# KiCad board Instruction_decoder.kicad_pcb (continued)
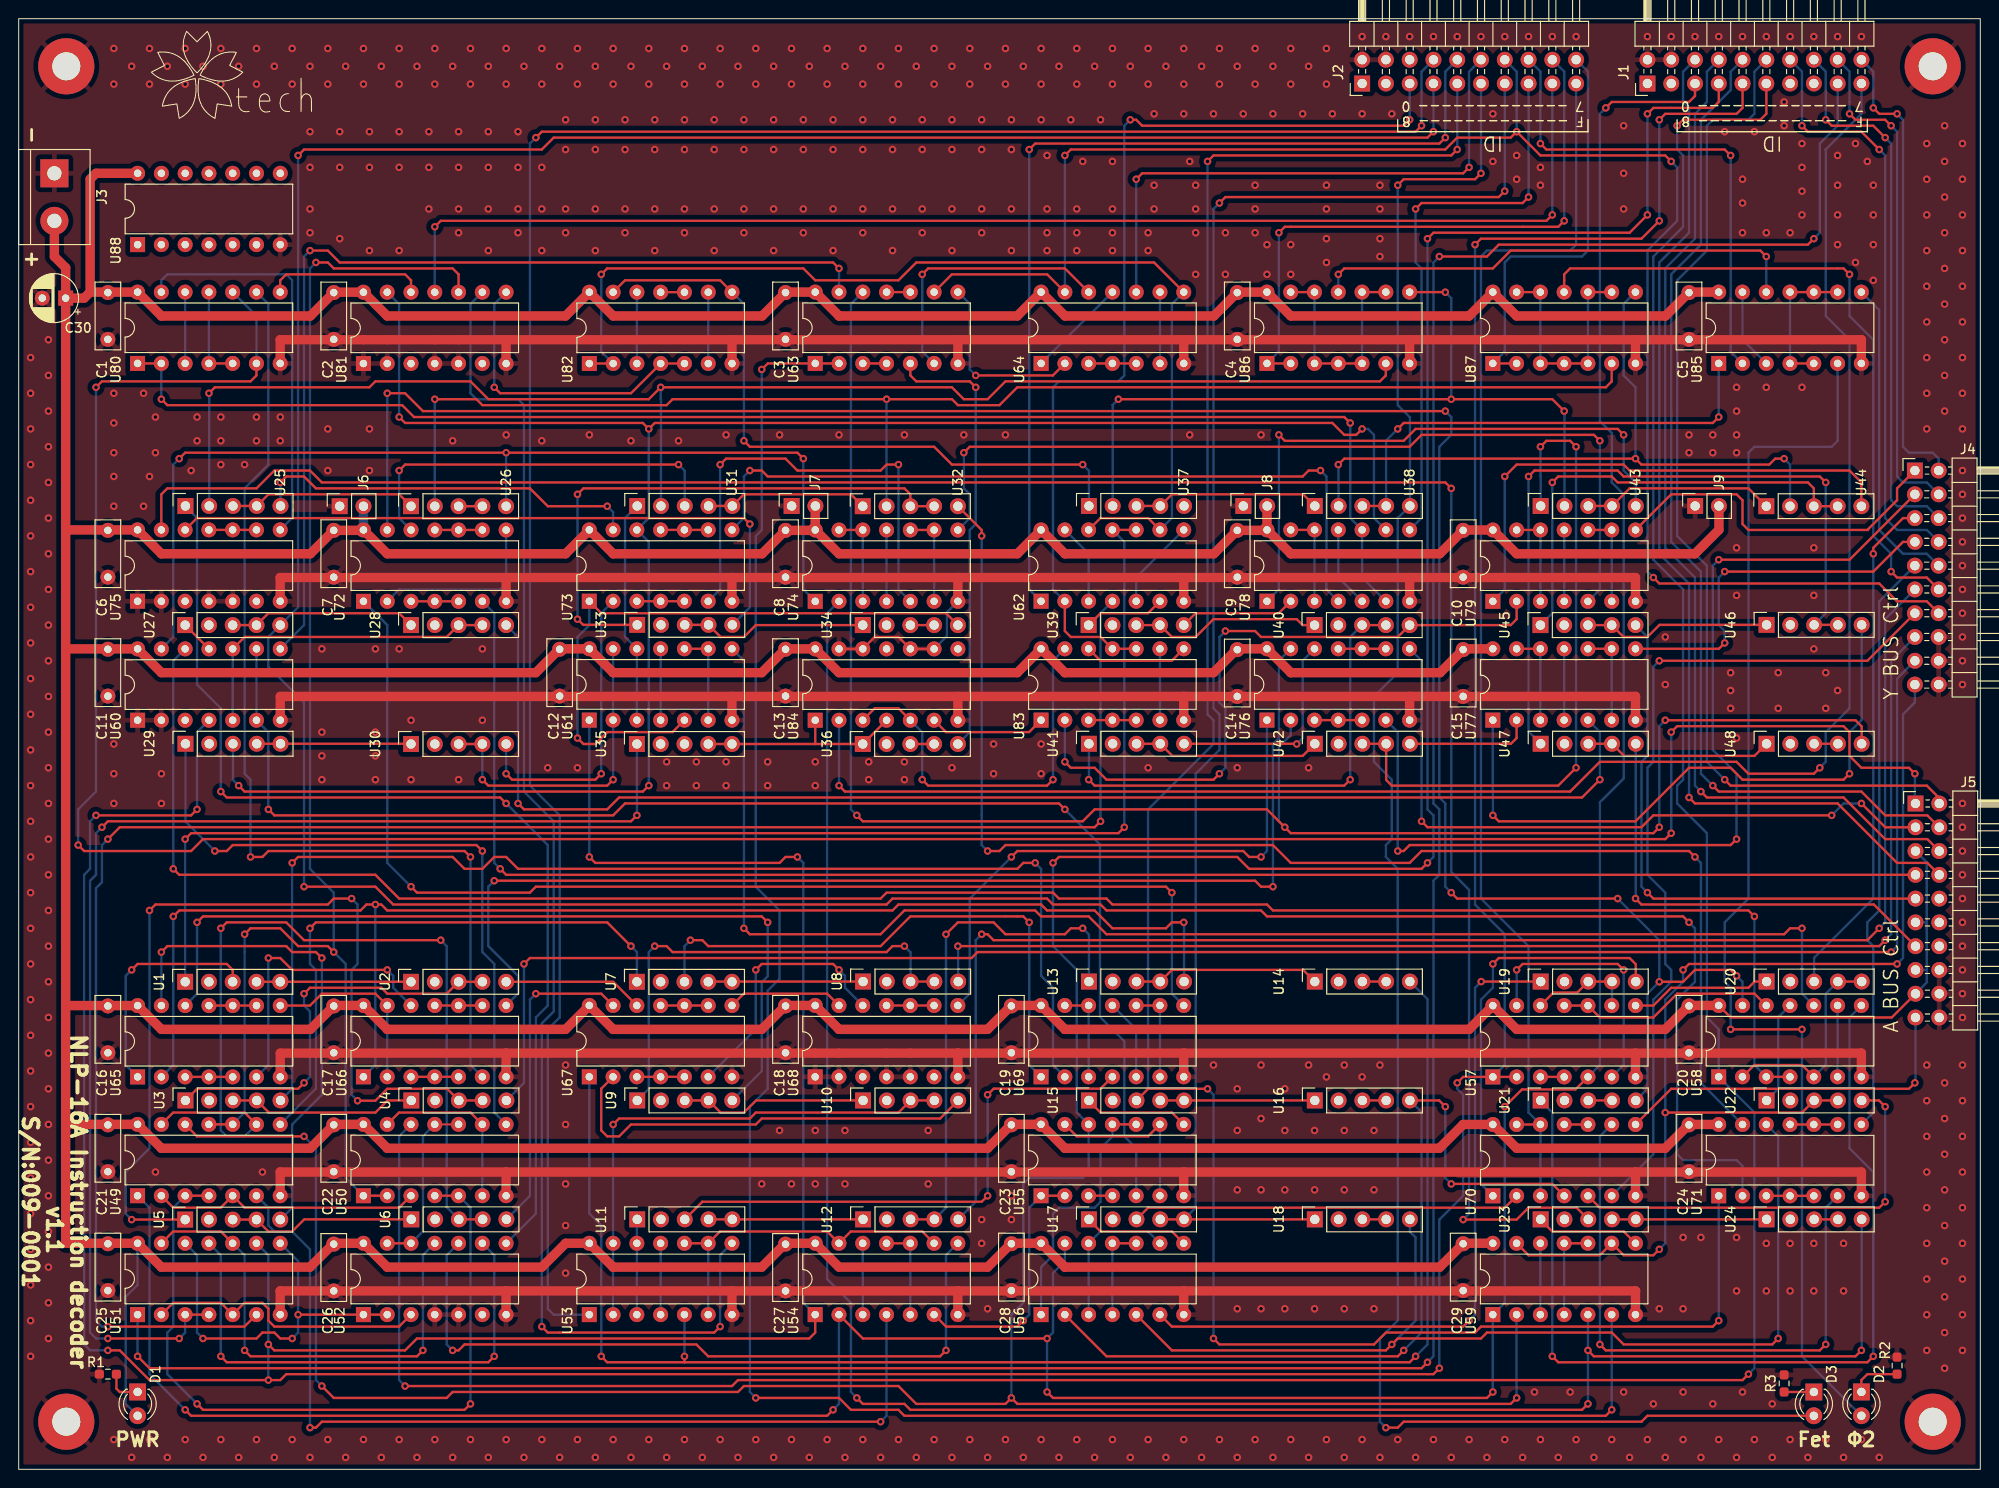
[diagram p0: board, top side]
## Nets (continued)
Net-(U79-Pad10): U79.6 U79.9 U79.10
Net-(U79-Pad11): U79.4 U79.11
Net-(U79-Pad12): U79.3 U79.12 U79.13
Net-(U80-Pad8): U80.8 U81.12
Net-(U80-Pad11): U80.4 U80.5 U80.11
Net-(U80-Pad12): U80.3 U80.12
Net-(U81-Pad8): U81.8 U82.4 U82.5
Net-(U82-Pad6): U82.6 U82.9
Net-(U82-Pad10): U82.10 U82.11
Net-(U82-Pad12): U82.3 U82.12
Net-(U83-Pad1): U83.1 U84.6
Net-(U83-Pad3): U83.3 U83.4 U83.5
Net-(U83-Pad6): U83.6 U83.9
Net-(U83-Pad12): U83.8 U83.12
Net-(U83-Pad13): U83.13 U84.3 U84.5
Net-(U85-Pad10): U85.4 U85.5 U85.9 U85.10 U85.11
Net-(U85-Pad13): U85.3 U85.13
Net-(U86-Pad10): U86.3 U86.4 U86.5 U86.9 U86.10 U86.12 U86.13
Net-(U87-Pad10): U87.3 U87.4 U87.5 U87.9 U87.10 U87.12 U87.13

Pads without a net: J1 1 3; J2 1 3 6; J5 10 12 14; U1 2; U2 2; U3 2; U4 2; U5 2; U6 2; U7 2; U8 2; U9 2; U10 2; U11 2; U12 2; U13 2; U14 2; U15 2; U16 2; U17 2; U18 2; U19 2; U20 2; U21 2; U22 2; U23 2; U24 2; U27 2; U28 2; U29 2; U30 2; U33 2; U34 2; U35 2 3; U36 2; U37 5; U39 2; U40 2; U41 2; U42 2; U45 2; U46 2; U47 2; U48 2; U52 6; U60 3; U68 3 6; U75 3 6; U81 3 6; U84 8 11; U88 1 2 3 4 5 6 8 9 10 11 12 13

## Via types
v1: diameter 0.8, hole 0.4, Top to Bottom, 1022 vias

## Routing (per net, layer and track width the routed paths; a pad name or vN(x,y) marks a point on that pad's centre or on a via; arc(x,y) is an arc through that point)
GND: length 1054.7
  Top w0.25: U84.9 U84.10 93.98,88.9 91.44,88.9 U84.12 U84.13
  Top w1: U87.7 172.72,120.64 172.72,120.65 ; U84.7 100.33,82.55 ; 100.33,82.55 124.46,82.55 ; 100.33,82.55 76.2,82.55 ; U59.7 172.72,19.04 172.72,19.05 124.46,19.05 ; U70.7 172.72,31.75 ; 172.72,31.75 124.46,31.75 ; 172.72,31.75 196.85,31.75 U71.7 ; U78.7 148.59,95.25 ; 148.59,95.25 172.72,95.25 U79.7 ; 148.59,95.25 124.46,95.25 ; 100.33,44.45 100.32,44.44 U68.7 ; 100.33,44.45 124.46,44.45 ; 100.33,44.45 52.07,44.45 ; U77.7 172.72,82.54 172.72,82.55 148.59,82.55 ; 172.72,44.45 U57.7 ; 172.72,44.45 196.85,44.45 196.84,44.44 U58.7 ; 172.72,44.45 124.46,44.45 ; U50.7 52.06,31.75 52.07,31.75 ; 100.33,95.25 124.46,95.25 ; 100.33,95.25 U74.7 ; 100.33,95.25 76.2,95.25 ; 124.46,95.25 124.45,95.24 U62.7 ; U61.7 76.19,82.54 76.2,82.55 ; 100.33,120.65 U63.7 ; 100.33,120.65 124.46,120.65 ; 100.33,120.65 76.2,120.65 ; U52.7 52.06,19.04 52.07,19.05 ; 52.07,44.45 52.06,44.44 U66.7 ; 52.07,44.45 27.94,44.45 U65.7 ; U80.7 27.93,120.64 27.94,120.65 52.07,120.65 ; 124.46,19.05 124.45,19.04 U56.7 ; 124.46,19.05 100.33,19.05 ; 52.07,31.75 27.94,31.75 27.93,31.75 U49.7 ; 52.07,31.75 124.46,31.75 ; U60.7 27.94,82.55 76.2,82.55 ; U55.7 124.45,31.75 124.46,31.75 ; 76.2,19.05 100.33,19.05 ; 76.2,19.05 76.19,19.04 U53.7 ; 76.2,19.05 52.07,19.05 ; 100.33,19.05 100.32,19.04 U54.7 ; U75.7 27.93,95.24 27.94,95.25 52.07,95.25 ; 52.07,120.65 52.06,120.64 U81.7 ; 52.07,120.65 76.2,120.65 ; 52.07,19.05 27.94,19.05 27.93,19.04 U51.7 ; U73.7 76.19,95.24 76.2,95.25 ; 124.46,82.55 124.45,82.54 U83.7 ; 124.46,82.55 148.59,82.55 ; 124.46,44.45 124.45,44.44 U69.7 ; 76.2,120.65 U82.7 ; 52.07,95.25 76.2,95.25 ; 52.07,95.25 U72.7 ; 124.46,120.65 U64.7 ; 124.46,120.65 148.59,120.65 ; 172.72,120.65 196.85,120.65 196.84,120.64 U85.7 ; 172.72,120.65 148.59,120.65 ; 148.59,82.55 148.59,82.54 U76.7 ; U86.7 148.59,120.64 148.59,120.65
  Bottom w0.25: U84.9 99.16,88.99 99.16,91.53 U74.7
  vias: v1(1.27,118.74) v1(1.27,114.93) v1(1.27,111.12) v1(1.27,107.31) v1(1.27,103.5) v1(1.27,99.69) v1(1.27,95.88) v1(1.27,92.07) v1(1.27,88.26) v1(1.27,84.45) v1(1.27,80.64) v1(1.27,76.83) v1(1.27,73.02) v1(1.27,69.21) v1(1.27,65.4) v1(1.27,61.59) v1(1.27,57.78) v1(1.27,53.97) v1(1.27,50.16) v1(1.27,46.35) v1(1.27,42.54) v1(1.27,38.73) v1(1.27,34.92) v1(1.27,31.11) v1(1.27,27.31) v1(1.27,23.5) v1(1.27,19.69) v1(1.27,15.88) v1(1.27,12.06) v1(3.17,120.65) v1(3.17,116.84) v1(3.17,113.03) v1(3.17,109.22) v1(3.17,105.41) v1(3.17,101.6) v1(3.17,97.79) v1(3.17,93.98) v1(3.17,90.17) v1(3.17,86.36) v1(3.17,82.55) v1(3.17,78.74) v1(3.17,74.93) v1(3.17,71.12) v1(3.17,67.31) v1(3.17,63.5) v1(3.17,59.69) v1(3.17,55.88) v1(3.17,52.07) v1(3.17,48.26) v1(3.17,44.45) v1(3.17,40.64) v1(3.17,36.83) v1(3.17,33.02) v1(3.17,29.21) v1(3.17,25.4) v1(3.17,21.59) v1(3.17,17.78) v1(3.17,13.97) v1(10.16,151.76) v1(10.16,147.95) v1(10.16,114.93) v1(10.16,111.76) v1(10.16,108.58) v1(10.16,106.04) v1(10.16,102.87) v1(10.16,77.47) v1(10.16,74.29) v1(10.16,71.12) v1(10.16,3.17) v1(12.06,149.86) v1(12.06,1.27) v1(13.34,114.93) v1(13.34,102.87) v1(13.97,151.76) v1(13.97,147.95) v1(13.97,106.04) v1(13.97,3.17) v1(14.6,112.39) v1(14.6,108.58) v1(14.6,31.75) v1(15.24,74.29) v1(15.24,71.12) v1(15.88,149.86) v1(15.88,1.27) v1(17.78,151.76) v1(17.78,147.95) v1(17.78,3.17) v1(18.41,106.68) v1(19.05,112.39) v1(19.05,109.85) v1(19.68,149.86) v1(19.68,1.27) v1(21.59,151.76) v1(21.59,147.95) v1(21.59,112.39) v1(21.59,109.85) v1(21.59,107.31) v1(21.59,3.17) v1(23.49,149.86) v1(23.49,1.27) v1(24.13,107.31) v1(25.4,151.76) v1(25.4,147.95) v1(25.4,112.39) v1(25.4,109.85) v1(25.4,3.17) v1(26.03,31.75) v1(27.3,149.86) v1(27.3,1.27) v1(27.94,112.39) v1(27.94,109.85) v1(29.21,151.76) v1(29.21,147.95) v1(29.21,3.17) v1(31.11,149.86) v1(31.11,142.88) v1(31.11,139.06) v1(31.11,134.62) v1(31.11,132.08) v1(31.11,1.27) v1(32.38,87.63) v1(32.38,78.74) v1(32.38,76.2) v1(32.38,73.66) v1(33.02,151.76) v1(33.02,147.95) v1(33.02,111.12) v1(33.02,106.68) v1(33.02,3.17) v1(34.29,142.88) v1(34.29,139.06) v1(34.29,131.44) v1(34.92,149.86) v1(34.92,1.27) v1(36.83,151.76) v1(36.83,147.95) v1(36.83,3.17) v1(37.47,142.88) v1(37.47,139.06) v1(37.47,130.17) v1(37.47,111.12) v1(37.47,106.68) v1(38.1,87.63) v1(38.1,78.74) v1(38.1,76.2) v1(38.1,73.66) v1(38.73,149.86) v1(38.73,1.27) v1(40.64,151.76) v1(40.64,147.95) v1(40.64,142.88) v1(40.64,139.06) v1(40.64,130.17) v1(40.64,87.63) v1(40.64,3.17) v1(41.91,80.01) v1(41.91,73.66) v1(42.55,149.86) v1(42.55,1.27) v1(43.81,142.88) v1(43.81,139.06) v1(43.81,134.62) v1(44.45,151.76) v1(44.45,147.95) v1(44.45,3.17) v1(46.36,149.86) v1(46.36,109.85) v1(46.36,1.27) v1(46.99,142.88) v1(46.99,139.06) v1(46.99,134.62) v1(46.99,132.08) v1(46.99,73.66) v1(48.26,151.76) v1(48.26,147.95) v1(48.26,3.17) v1(49.53,87.63) v1(49.53,80.01) v1(50.16,149.86) v1(50.16,142.88) v1(50.16,139.06) v1(50.16,134.62) v1(50.16,130.17) v1(50.16,1.27) v1(52.07,151.76) v1(52.07,147.95) v1(52.07,110.49) v1(52.07,3.17) v1(53.34,142.88) v1(53.34,139.06) v1(53.34,134.62) v1(53.34,132.08) v1(53.97,149.86) v1(53.97,1.27) v1(55.88,151.76) v1(55.88,147.95) v1(55.88,139.06) v1(55.88,134.62) v1(55.88,130.17) v1(55.88,109.85) v1(55.88,3.17) v1(56.52,74.93) v1(57.78,149.86) v1(57.78,1.27) v1(58.42,144.14) v1(58.42,140.97) v1(58.42,134.62) v1(58.42,132.08) v1(58.42,43.18) v1(58.42,36.83) v1(58.42,30.48) v1(58.42,26.03) v1(58.42,20.95) v1(59.69,151.76) v1(59.69,147.95) v1(59.69,74.93) v1(59.69,3.17) v1(60.96,110.49) v1(61.59,149.86) v1(61.59,144.14) v1(61.59,140.97) v1(61.59,134.62) v1(61.59,130.17) v1(61.59,1.27) v1(63.5,151.76) v1(63.5,147.95) v1(63.5,3.17) v1(64.77,144.14) v1(64.77,140.97) v1(64.77,134.62) v1(64.77,132.08) v1(65.41,149.86) v1(65.41,109.85) v1(65.41,1.27) v1(67.31,151.76) v1(67.31,147.95) v1(67.31,3.17) v1(67.94,144.14) v1(67.94,140.97) v1(67.94,134.62) v1(67.94,130.17) v1(69.22,149.86) v1(69.22,75.56) v1(69.22,73.02) v1(69.22,1.27) v1(70.48,109.85) v1(71.12,151.76) v1(71.12,147.95) v1(71.12,144.14) v1(71.12,140.97) v1(71.12,134.62) v1(71.12,132.08) v1(71.12,3.17) v1(72.39,75.56) v1(72.39,73.02) v1(73.02,149.86) v1(73.02,1.27) v1(74.3,144.14) v1(74.3,140.97) v1(74.3,134.62) v1(74.3,130.17) v1(74.93,151.76) v1(74.93,147.95) v1(74.93,3.17) v1(75.56,110.49) v1(75.56,75.56) v1(75.56,73.02) v1(76.83,149.86) v1(76.83,1.27) v1(77.47,144.14) v1(77.47,140.97) v1(77.47,134.62) v1(77.47,132.08) v1(78.74,151.76) v1(78.74,147.95) v1(78.74,3.17) v1(79.38,30.48) v1(80.01,75.56) v1(80.01,73.02) v1(80.64,149.86) v1(80.64,144.14) v1(80.64,140.97) v1(80.64,134.62) v1(80.64,130.17) v1(80.64,1.27) v1(81.28,110.49) v1(81.28,36.19) v1(82.55,151.76) v1(82.55,147.95) v1(82.55,30.48) v1(82.55,3.17) v1(83.82,144.14) v1(83.82,140.97) v1(83.82,134.62) v1(83.82,132.08) v1(84.45,149.86) v1(84.45,1.27) v1(85.09,75.56) v1(85.09,73.02) v1(85.09,36.19) v1(85.09,30.48) v1(86.36,151.76) v1(86.36,147.95) v1(86.36,3.17) v1(87,144.14) v1(87,140.97) v1(87,134.62) v1(87,130.17) v1(87.63,110.49) v1(88.27,149.86) v1(88.27,36.19) v1(88.27,30.48) v1(88.27,1.27) v1(90.17,151.76) v1(90.17,147.95) v1(90.17,144.14) v1(90.17,140.97) v1(90.17,134.62) v1(90.17,132.08) v1(90.17,3.17) v1(90.8,75.56) v1(90.8,73.66) v1(92.08,149.86) v1(92.08,1.27) v1(93.34,144.14) v1(93.34,140.97) v1(93.34,134.62) v1(93.34,130.17) v1(93.98,151.76) v1(93.98,147.95) v1(93.98,3.17) v1(94.62,110.49) v1(94.62,75.56) v1(94.62,73.66) v1(95.88,149.86) v1(95.88,1.27) v1(96.52,144.14) v1(96.52,140.97) v1(96.52,134.62) v1(96.52,132.08) v1(97.16,36.19) v1(97.16,30.48) v1(97.79,151.76) v1(97.79,147.95) v1(97.79,3.17) v1(99.69,149.86) v1(99.69,144.14) v1(99.69,140.97) v1(99.69,134.62) v1(99.69,130.17) v1(99.69,74.93) v1(99.69,1.27) v1(100.97,110.49) v1(101.6,151.76) v1(101.6,147.95) v1(101.6,3.17) v1(102.87,144.14) v1(102.87,140.97) v1(102.87,134.62) v1(102.87,132.08) v1(102.87,26.67) v1(102.87,24.13) v1(103.5,149.86) v1(103.5,17.14) v1(103.5,1.27) v1(104.14,77.47) v1(104.14,74.29) v1(105.41,151.76) v1(105.41,147.95) v1(105.41,110.49) v1(105.41,3.17) v1(106.04,144.14) v1(106.04,140.97) v1(106.04,134.62) v1(106.04,130.17) v1(106.04,29.21) v1(106.04,26.67) v1(107.31,149.86) v1(107.31,1.27) v1(109.22,151.76) v1(109.22,147.95) v1(109.22,144.14) v1(109.22,77.47) v1(109.22,74.29) v1(109.22,3.17) v1(109.85,140.33) v1(109.85,134.62) v1(109.85,132.08) v1(109.85,130.17) v1(111.12,149.86) v1(111.12,1.27) v1(112.4,144.14) v1(113.03,151.76) v1(113.03,147.95) v1(113.03,134.62) v1(113.03,132.08) v1(113.03,130.17) v1(113.03,3.17) v1(113.66,139.7) v1(114.94,149.86) v1(114.94,1.27) v1(115.57,144.14) v1(116.84,151.76) v1(116.84,147.95) v1(116.84,139.7) v1(116.84,134.62) v1(116.84,132.08) v1(116.84,130.17) v1(116.84,3.17) v1(118.75,149.86) v1(118.75,1.27) v1(120.65,151.76) v1(120.65,147.95) v1(120.65,132.08) v1(120.65,130.17) v1(120.65,74.93) v1(120.65,3.17) v1(121.28,144.78) v1(121.28,137.16) v1(121.28,134.62) v1(122.56,149.86) v1(122.56,1.27) v1(124.46,151.76) v1(124.46,147.95) v1(124.46,144.78) v1(124.46,3.17) v1(125.09,139.7) v1(125.09,110.49) v1(125.73,137.16) v1(125.73,134.62) v1(125.73,132.08) v1(125.73,127.63) v1(126.37,149.86) v1(126.37,1.27) v1(127.63,144.78) v1(127.63,43.18) v1(128.27,151.76) v1(128.27,147.95) v1(128.27,3.17) v1(128.91,132.08) v1(128.91,127.63) v1(130.18,149.86) v1(130.18,74.93) v1(130.18,40.64) v1(130.18,36.19) v1(130.18,29.84) v1(130.18,17.14) v1(130.18,1.27) v1(130.81,144.78) v1(132.08,151.76) v1(132.08,147.95) v1(132.08,137.16) v1(132.08,134.62) v1(132.08,132.08) v1(132.08,3.17) v1(132.72,110.49) v1(132.72,43.18) v1(132.72,37.47) v1(132.72,29.84) v1(132.72,17.14) v1(133.35,130.81) v1(133.35,127.63) v1(133.98,149.86) v1(133.98,144.78) v1(133.98,1.27) v1(135.25,40.64) v1(135.25,36.19) v1(135.25,29.84) v1(135.25,17.14) v1(135.89,151.76) v1(135.89,147.95) v1(135.89,130.81) v1(135.89,127.63) v1(135.89,3.17) v1(137.16,144.78) v1(137.79,149.86) v1(137.79,74.93) v1(137.79,43.18) v1(137.79,1.27) v1(138.43,36.19) v1(138.43,29.84) v1(138.43,17.14) v1(139.7,151.76) v1(139.7,147.95) v1(139.7,137.16) v1(139.7,134.62) v1(139.7,131.44) v1(139.7,128.91) v1(139.7,41.91) v1(139.7,3.17) v1(140.34,144.78) v1(141.6,43.18) v1(141.6,36.19) v1(141.6,29.84) v1(141.6,17.14) v1(141.6,1.27) v1(143.51,153.03) v1(143.51,144.78) v1(143.51,41.91) v1(143.51,3.17) v1(144.78,36.19) v1(144.78,29.84) v1(144.78,17.14) v1(145.41,137.16) v1(145.41,134.62) v1(145.41,131.44) v1(145.41,129.54) v1(145.41,43.18) v1(145.41,1.27) v1(146.05,153.03) v1(146.69,144.78) v1(147.32,3.17) v1(148.59,153.03) v1(149.22,1.27) v1(151.13,153.03) v1(151.13,3.17) v1(153.03,1.27) v1(153.67,153.03) v1(154.94,3.17) v1(156.21,153.03) v1(156.84,1.27) v1(157.48,144.78) v1(157.48,139.7) v1(158.75,153.03) v1(158.75,3.17) v1(160.02,140.33) v1(160.02,137.79) v1(160.66,1.27) v1(161.29,153.03) v1(161.93,8.25) v1(162.56,139.06) v1(162.56,137.16) v1(162.56,3.17) v1(163.83,153.03) v1(164.47,1.27) v1(165.73,8.25) v1(166.37,153.03) v1(166.37,3.17) v1(168.28,1.27) v1(170.18,3.17) v1(171.45,143.51) v1(171.45,138.43) v1(171.45,134.62) v1(171.45,8.25) v1(172.09,1.27) v1(173.99,153.03) v1(173.99,3.17) v1(174.62,6.98) v1(175.26,17.14) v1(175.9,88.9) v1(175.9,83.82) v1(175.9,1.27) v1(176.53,153.03) v1(177.8,24.76) v1(177.8,17.14) v1(177.8,8.25) v1(177.8,3.17) v1(178.44,110.49) v1(178.44,108.58) v1(179.07,153.03) v1(179.7,24.76) v1(179.7,1.27) v1(180.97,110.49) v1(180.97,108.58) v1(180.97,6.98) v1(181.61,153.03) v1(181.61,3.17) v1(182.25,142.88) v1(182.88,85.09) v1(182.88,83.18) v1(182.88,81.28) v1(183.51,115.57) v1(183.51,113.03) v1(183.51,110.49) v1(183.51,108.58) v1(183.51,98.42) v1(183.51,93.34) v1(183.51,78.1) v1(183.51,24.76) v1(183.51,19.05) v1(183.51,1.27) v1(184.15,153.03) v1(184.15,137.79) v1(184.15,135.25) v1(184.15,132.08) v1(184.15,8.25) v1(185.42,142.88) v1(185.42,3.17) v1(186.69,153.03) v1(186.69,132.08) v1(186.69,115.57) v1(186.69,24.13) v1(186.69,19.05) v1(187.32,6.98) v1(187.32,1.27) v1(187.96,85.09) v1(187.96,81.28) v1(188.59,146.05) v1(188.59,143.51) v1(189.23,153.03) v1(189.23,132.08) v1(189.23,24.13) v1(189.23,19.05) v1(189.23,3.17) v1(190.5,141.6) v1(190.5,139.06) v1(190.5,136.52) v1(190.5,133.98) v1(190.5,115.57) v1(191.13,1.27) v1(191.77,153.03) v1(191.77,98.42) v1(191.77,93.34) v1(191.77,87.63) v1(191.77,24.13) v1(191.77,19.05) v1(193.04,85.09) v1(193.04,81.28) v1(193.04,3.17) v1(194.31,153.03) v1(194.31,140.33) v1(194.31,137.16) v1(194.31,133.98) v1(194.31,130.81) v1(194.31,83.18) v1(194.94,24.13) v1(194.94,19.05) v1(194.94,1.27) v1(196.22,141.6) v1(196.22,128.91) v1(196.85,153.03) v1(196.85,3.17) v1(197.48,139.7) v1(198.12,137.16) v1(198.12,133.98) v1(198.12,130.81) v1(198.12,127) v1(198.75,1.27) v1(203.84,141.6) v1(203.84,137.79) v1(203.84,133.98) v1(203.84,130.17) v1(203.84,126.36) v1(203.84,122.55) v1(203.84,118.74) v1(203.84,114.93) v1(203.84,111.12) v1(203.84,43.18) v1(203.84,39.37) v1(203.84,35.56) v1(203.84,31.75) v1(203.84,27.94) v1(203.84,24.13) v1(203.84,20.32) v1(203.84,16.51) v1(203.84,12.7) v1(205.74,143.51) v1(205.74,139.7) v1(205.74,135.89) v1(205.74,132.08) v1(205.74,128.27) v1(205.74,124.46) v1(205.74,120.65) v1(205.74,116.84) v1(205.74,113.03) v1(205.74,41.28) v1(205.74,37.47) v1(205.74,33.66) v1(205.74,29.84) v1(205.74,26.03) v1(205.74,22.22) v1(205.74,18.41) v1(205.74,14.6) v1(205.74,10.79) v1(207.65,141.6) v1(207.65,137.79) v1(207.65,133.98) v1(207.65,130.17) v1(207.65,126.36) v1(207.65,122.55) v1(207.65,118.74) v1(207.65,114.93) v1(207.65,111.12) v1(207.65,106.68) v1(207.65,104.14) v1(207.65,101.6) v1(207.65,99.06) v1(207.65,96.52) v1(207.65,93.98) v1(207.65,91.44) v1(207.65,88.9) v1(207.65,86.36) v1(207.65,83.82) v1(207.65,71.12) v1(207.65,68.58) v1(207.65,66.04) v1(207.65,63.5) v1(207.65,60.96) v1(207.65,58.42) v1(207.65,55.88) v1(207.65,53.34) v1(207.65,50.8) v1(207.65,48.26) v1(207.65,43.18) v1(207.65,39.37) v1(207.65,35.56) v1(207.65,31.75) v1(207.65,27.94) v1(207.65,24.13) v1(207.65,20.32) v1(207.65,16.51) v1(207.65,12.7)
VCC: length 1282.2
  Top w0.25: J5.17 200.09,48.26 182.88,48.26 U58.14
  Top w1: 5.02,100.27 5.02,87.57 ; 5.02,100.27 C30.1 ; 5.02,100.27 5.09,100.34 U75.14 15.24,97.79 15.24,97.79 31.16,97.79 C7.2 36.79,100.29 U72.14 39.37,97.79 58.42,97.79 60.95,100.32 U73.14 63.5,97.79 63.5,97.79 79.41,97.79 C8.2 85.05,100.29 U74.14 ; 5.02,87.57 5.02,49.59 ; 5.02,87.57 5.08,87.63 U60.14 15.24,85.09 55.25,85.09 57.7,87.55 57.78,87.55 57.88,87.64 U61.14 63.5,85.09 63.5,85.09 79.38,85.09 81.91,87.63 U84.14 87.63,85.09 106.68,85.09 109.22,87.62 U83.14 111.76,85.09 111.76,85.09 127.63,85.09 130.19,87.64 U76.14 135.89,85.09 135.89,85.09 151.84,85.09 154.4,87.64 U77.14 ; 5.02,49.59 5.08,49.53 U65.14 15.24,46.99 31.16,46.99 33.7,49.54 U66.14 39.37,47 39.37,46.99 58.42,46.99 60.95,49.53 U67.14 63.5,47 63.5,46.99 79.38,46.99 81.92,49.54 U68.14 87.63,47 87.63,46.99 103.5,46.99 106.06,49.54 U69.14 111.76,47 111.76,46.99 154.94,46.99 U57.14 160.02,46.99 175.9,46.99 178.44,49.54 U58.14 ; 5.02,49.59 5.02,36.77 ; U88.14 8.25,138.43 7.63,137.81 7.63,125.74 ; 7.63,125.74 U80.14 15.24,123.19 15.24,123.19 31.16,123.19 33.69,125.73 U81.14 39.36,123.19 58.42,123.19 U82.14 63.5,123.19 79.41,123.19 81.97,125.74 U63.14 87.63,123.2 87.63,123.19 106.67,123.19 U64.14 111.77,123.19 127.68,123.19 130.22,125.74 U86.14 135.9,123.19 154.94,123.19 157.47,125.72 157.47,125.74 160.02,123.19 175.91,123.19 178.41,125.69 C5.2 178.48,125.74 U85.14 ; 7.63,125.74 6.98,125.09 C30.1 ; 5.02,36.77 5.02,24.19 5.08,24.13 5.09,24.14 U51.14 15.24,21.59 15.24,21.59 31.11,21.59 33.66,24.14 U52.14 39.37,21.59 39.37,21.59 55.88,21.59 58.43,24.14 U53.14 63.5,21.59 63.5,21.59 79.38,21.59 81.92,24.14 U54.14 87.63,21.59 103.5,21.59 106.06,24.14 U56.14 111.76,21.59 111.76,21.59 151.81,21.59 154.35,24.14 U59.14 ; 5.02,36.77 5.09,36.84 U49.14 15.24,34.29 15.24,34.29 31.16,34.29 33.7,36.84 U50.14 39.37,34.29 39.37,34.29 103.5,34.29 106.06,36.84 U55.14 111.76,34.29 111.76,34.29 151.76,34.29 154.31,36.83 U70.14 160.02,34.29 175.9,34.29 178.44,36.83 U71.14 ; C30.1 5.02,128.33 3.81,129.54 J3.2 ; U78.14 135.89,97.8 135.89,97.79 151.81,97.79 154.34,100.33 U79.14 160.02,97.79 179.07,97.79 181.63,100.35 J9.2 ; U78.14 133.3,100.29 C9.2 127.68,97.79 111.76,97.79 111.76,97.79 U62.14 109.22,100.32 106.68,97.79 87.63,97.79 U74.14 ; U78.14 133.35,102.88 J8.2 ; J7.2 85.09,102.88 U74.14
  Bottom w0.25: D1.2 11.43,6.98 11.43,6.98 11.43,18.41 12.7,19.68 U51.14 ; 203.84,57.78 203.84,64.83 J5.5 ; 203.84,57.78 203.84,58.42 203.83,58.41 J5.11 ; 203.84,57.78 203.84,53.34 ; 203.84,53.34 203.84,52 J5.17 ; 203.84,53.34 203.83,53.33 J5.15
  Bottom w1: U72.14 J6.2
3word: length 234.6
  Top w0.25: v1(149.86,143.51) 149.22,142.88 55.88,142.88 v1(55.25,142.24)
  Bottom w0.25: v1(55.25,142.24) 54.61,141.6 54.61,73.02 57.78,69.85 57.78,48.26 56.52,46.99 56.52,17.14 57.15,16.51 57.16,16.52 U53.1 ; v1(149.86,143.51) 149.86,149.28 J2.8
A_BUS_Addr0: length 109.5
  Top w0.25: J5.2 205.17,71.69 203.84,73.02 182.88,73.02 v1(182.25,73.66)
  Bottom w0.25: J1.12 185.42,149.28 185.42,144.78 184.78,144.14 180.97,144.14 180.34,143.51 180.34,130.17 177.16,127 177.16,99.69 180.34,96.52 180.34,75.56 v1(182.25,73.66)
A_BUS_Addr1: length 109.2
  Top w0.25: J5.4 203.9,69.85 199.39,69.85 196.85,72.39 181.61,72.39 v1(180.97,73.02)
  Bottom w0.25: 176.53,113.03 176.53,99.06 179.7,95.88 179.7,74.29 v1(180.97,73.02) ; 176.53,112.39 176.53,127.63 179.7,130.81 179.7,144.14 182.88,147.32 182.88,149.28 J1.10
A_BUS_Addr2: length 110.2
  Top w0.25: v1(179.7,72.39) 180.34,71.75 194.94,71.75 199.39,67.31 203.9,67.31 J5.6
  Bottom w0.25: J1.8 180.34,149.28 180.34,146.05 179.07,144.78 179.07,131.44 175.9,128.27 175.9,98.42 179.07,95.25 179.07,73.02 v1(179.7,72.39)
A_BUS_Addr3: length 112.4
  Top w0.25: v1(178.44,71.75) 179.07,71.12 194.31,71.12 200.66,64.77 203.9,64.77 J5.8
  Bottom w0.25: v1(178.44,71.75) 178.44,94.61 175.26,97.79 175.26,128.91 178.44,132.08 178.44,145.41 177.8,146.05 177.8,149.28 J1.6
Acc_Y: length 90.8
  Top w0.25: J4.13 197.48,86.36 v1(175.26,86.36)
  Bottom w0.25: U70.6 174.62,33.66 174.62,50.16 176.53,52.07 176.53,53.34 175.9,53.97 175.9,61.59 173.99,63.5 173.99,74.93 174.62,75.56 174.62,85.72 v1(175.26,86.36)
END_EXE: length 223.9
  Top w0.25: v1(79.38,117.47) 80.02,118.12 U63.1 U63.2 ; v1(170.18,6.35) 169.54,5.72 94.62,5.72 93.98,6.35 88.9,6.35 87.63,7.62 v1(78.74,7.62)
  Bottom w0.25: v1(79.38,117.47) 79.38,100.33 78.74,99.69 78.74,62.23 81.28,59.69 81.28,52.39 80.01,51.12 80.01,40.64 78.11,38.73 78.11,8.25 v1(78.74,7.62) ; v1(170.18,6.35) 170.18,6.35 170.18,16.52
EXE_FETCH: length 27
  Top w0.25: U55.2 U55.1 ; U54.6 99.06,15.25 99.06,15.24 106.68,15.24 v1(107.31,15.88)
  Bottom w0.25: v1(107.31,15.88) 107.95,16.51 107.95,27.94 109.22,29.2 U55.1
Fetch1->: length 131.5
  Top w0.25: v1(108.59,64.77) 107.31,64.77 106.68,64.13 53.34,64.13 52.07,65.4 50.8,65.4 49.53,64.13 47.62,64.13 46.36,65.4 29.84,65.4 v1(29.21,64.77)
  Bottom w0.25: U3.5 29.21,40.63 v1(29.21,64.77) ; U69.2 110.49,43.19 110.49,51.43 109.22,52.7 109.22,64.13 v1(108.59,64.77)
Fetch2->: length 59.8
  Top w0.25: v1(107.95,58.42) 107.31,59.05 95.25,59.05 92.08,55.88 73.66,55.88 73.02,56.51 v1(71.75,56.51)
  Bottom w0.25: v1(71.75,56.51) 71.12,55.88 U7.3 ; U69.1 107.95,43.19 v1(107.95,58.42)
Fetch3->: length 58.3
  Top w0.25: U69.4 115.57,40.66 104.16,40.66 v1(103.5,40) ; v1(103.5,29.21) 102.87,28.57 73.02,28.57 73.02,28.57 U11.3
  Bottom w0.25: v1(103.5,40) v1(103.5,29.21)
Fetch_Status: length 202.8
  Top w0.25: v1(146.05,4.44) 147.32,4.44 147.95,5.08 173.35,5.08 173.99,5.72 D3.2 ; v1(156.21,138.43) 155.57,137.79 147.95,137.79 v1(147.32,137.16)
  Bottom w0.25: v1(146.05,4.44) 145.41,5.08 145.41,13.97 147.32,15.88 147.32,64.13 146.05,65.4 146.05,66.67 146.69,67.31 146.69,73.66 144.78,75.56 144.78,82.55 147.32,85.09 147.32,101.65 147.38,101.65 U38.5 148.62,112.36 147.32,113.66 v1(147.32,137.16) ; 156.22,148.02 156.22,138.44 v1(156.21,138.43)
INT: length 102.6
  Top w0.25: v1(152.4,142.24) 151.76,141.6 108.59,141.6 v1(107.95,140.97)
  Bottom w0.25: U62.1 109.21,92.72 107.95,93.98 v1(107.95,140.97) ; v1(152.4,142.24) 152.4,149.28 153.68,150.56
INT_EN: length 104.9
  Top w0.25: U62.2 111.75,89.54 112.4,88.9 115.57,88.9 U83.11 U83.10 ; v1(148.59,144.14) 147.95,143.51 120.01,143.51 119.38,144.14 v1(118.75,144.14)
  Bottom w0.25: v1(118.75,144.14) 118.11,143.51 118.11,116.84 117.47,116.2 111.12,116.2 110.49,115.57 110.49,93.98 110.5,93.98 U62.2 ; v1(148.59,144.14) 148.59,144.15 J2.5
INT_START: length 112.8
  Top w0.25: v1(62.23,127.63) 62.86,128.27 83.82,128.27 85.09,127 93.98,127 95.88,128.91 121.28,128.91 124.45,125.74 U64.8 ; U62.12 115.56,101.6 120.66,101.6 U62.9 ; U82.2 U82.1
  Bottom w0.25: U62.9 123.18,101.6 123.19,101.6 123.19,124.47 U64.8 ; U82.2 62.23,119.38 v1(62.23,127.63)
NOP: length 53.1
  Top w0.25: v1(162.56,141.6) 163.19,140.97 182.25,140.97 v1(182.88,140.33)
  Bottom w0.25: v1(162.56,141.6) 162.56,149.29 J2.16 ; U85.2 182.88,119.38 v1(182.88,140.33)
OP0: length 191.2
  Top w0.25: v1(87.63,73.02) 88.27,72.39 165.73,72.39 168.91,75.56 183.51,75.56 184.78,74.29 191.77,74.29 v1(192.41,74.93)
  Bottom w0.25: U84.2 v1(87.63,73.02) ; v1(192.41,74.93) 193.04,75.56 193.04,78.74 195.58,81.28 195.58,120.65 193.04,123.19 193.04,140.97 193.04,140.97 196.85,144.78 J1.19
OP1: length 320.6
  Top w0.25: v1(151.76,129.54) 156.84,129.54 158.12,130.81 191.13,130.81 v1(191.77,131.44) ; v1(150.5,11.43) 149.86,10.79 13.97,10.79 v1(12.7,12.06)
  Bottom w0.25: v1(191.77,131.44) 192.41,132.08 192.41,141.6 194.31,143.51 J1.17 ; v1(150.5,11.43) 151.13,12.06 151.13,62.86 151.76,63.5 151.76,70.48 151.13,71.12 151.13,128.91 v1(151.76,129.54) ; v1(12.7,12.06) 12.7,12.07 U51.1
OP4: length 326.2
  Top w0.25: v1(184.78,10.16) 184.15,9.53 76.83,9.53 76.2,8.89 v1(41.27,8.89) ; v1(177.16,143.51) 177.8,144.14 186.06,144.14 186.69,144.78 J1.11
  Bottom w0.25: v1(184.78,10.16) 185.42,10.79 185.42,38.1 181.6,41.91 ; U58.1 181.6,47 180.34,48.26 180.34,67.94 177.16,71.12 177.16,73.02 177.8,73.66 177.8,93.98 174.62,97.15 174.62,129.54 177.8,132.71 177.8,140.33 177.16,140.97 v1(177.16,143.51) ; v1(41.27,8.89) 40.64,9.53 40.64,35.57 U50.12
OP5: length 561.3
  Top w0.25: v1(153.67,41.28) 154.31,41.91 U57.1 U57.2 ; v1(175.26,144.14) 175.9,144.78 183.51,144.78 184.16,145.42 J1.9 ; v1(155.57,130.81) 156.21,131.44 173.35,131.44 v1(175.26,133.35) ; v1(151.76,10.79) 151.13,10.16 28.58,10.16 27.94,9.53 v1(26.67,9.53) 13.97,9.53 10.79,12.7 v1(9.52,12.7) ; v1(83.19,65.4) 81.91,65.4 81.28,64.77 61.59,64.77 v1(60.96,65.4) ; v1(26.67,13.33) 27.3,12.7 41.27,12.7 42.55,13.97 84.45,13.97 85.08,14.6 U54.1 ; v1(19.05,70.48) 18.41,69.85 v1(8.25,69.85)
  Bottom w0.25: v1(83.19,65.4) 83.82,64.77 83.82,17.78 U54.1 ; v1(155.57,130.81) 155.57,60.33 158.75,57.15 158.75,43.18 U57.1 ; v1(9.52,12.7) 7.62,12.7 6.98,13.33 6.98,63.5 7.62,64.13 7.62,69.21 v1(8.25,69.85) ; U51.9 26.67,22.86 v1(26.67,13.33) v1(26.67,9.53) ; U61.1 60.95,65.41 v1(60.96,65.4) ; v1(19.05,70.48) 19.05,78.74 U60.4 ; v1(153.67,41.28) 153.67,40.64 154.31,40 154.31,29.21 151.76,26.67 v1(151.76,10.79) ; v1(175.26,133.35) v1(175.26,144.14)
OP6: length 399.1
  Top w0.25: v1(173.99,144.78) 174.62,145.41 180.97,145.41 181.62,146.06 J1.7 ; v1(30.48,35.56) 19.05,35.56 19.05,35.56 U49.12 ; v1(173.99,133.98) 172.09,132.08 151.13,132.08 v1(150.5,131.44) ; v1(160.02,7.62) 159.38,6.98 106.68,6.98 v1(106.04,7.62) 105.41,6.98 95.88,6.98 93.98,8.89 77.47,8.89 76.83,8.25 46.36,8.25 45.72,7.62 33.66,7.62 v1(32.38,8.89) ; v1(110.49,64.77) 111.12,65.4 130.18,65.4 131.44,64.13 149.86,64.13 v1(150.5,64.77)
  Bottom w0.25: v1(150.5,131.44) 150.5,70.48 151.13,69.85 151.13,65.4 v1(150.5,64.77) ; v1(173.99,144.78) v1(173.99,133.98) ; v1(110.49,64.77) 110.49,55.88 113.03,53.34 113.03,38.1 113.03,38.1 U55.12 114.29,31.75 113.66,31.11 107.95,31.11 107.31,30.48 107.31,17.78 106.04,16.51 v1(106.04,7.62) ; v1(160.02,7.62) 160.01,7.62 U59.2 ; v1(30.48,35.56) 31.75,34.29 31.75,9.53 v1(32.38,8.89)
OP7: length 352.3
  Top w0.25: v1(87,6.35) 86.36,5.72 18.41,5.72 v1(17.78,6.35) ; v1(158.75,38.73) 160.59,40.57 166.3,40.57 U57.5 ; U54.2 90.17,13.97 v1(109.85,13.97) ; v1(169.54,145.41) 170.18,146.05 178.44,146.05 179.07,146.69 J1.5 ; v1(109.85,8.25) 110.49,7.62 156.84,7.62 v1(157.48,8.25)
  Bottom w0.25: v1(158.75,38.73) 158.75,17.78 158.75,17.78 157.5,16.52 U59.1 157.47,8.26 v1(157.48,8.25) ; U54.2 87.62,7 87.63,7 87.63,6.98 v1(87,6.35) ; U56.13 111.75,22.23 111.76,22.22 110.49,20.95 110.49,14.6 v1(109.85,13.97) v1(109.85,8.25) ; U49.1 12.7,29.22 13.97,27.94 13.97,10.16 v1(17.78,6.35) ; v1(169.54,145.41) 168.91,144.78 168.91,111.96 170.18,110.69 170.18,105.41 171.45,104.14 171.45,73.78 168.91,71.24 168.91,43.18 U57.5
phi1: length 44.2
  Top w0.25: U87.1 U87.2
  Bottom w0.25: U87.1 158.75,119.39 158.75,128.91 159.38,129.54 167,129.54 167.64,130.17 167.64,149.29 J2.20
phi1_1: length 152.3
  Top w0.25: 170.18,118.12 170.18,116.21 170.18,116.2 169.54,115.57 106.68,115.57 104.78,113.66 100.33,113.66 99.69,114.3 69.85,114.3 69.22,113.66 49.53,113.66 48.89,114.3 v1(44.45,114.3)
  Bottom w0.25: U32.2 v1(92.71,114.3) ; U26.2 v1(44.45,114.3)
phi1_2: length 77
  Top w0.25: v1(140.97,107.31) 141.6,107.95 v1(172.72,107.95) 173.35,107.31 187.01,107.31 187.64,107.95 v1(188.59,107.95)
  Bottom w0.25: v1(140.97,107.31) 141,107.28 U38.2 ; v1(172.72,107.95) 172.72,115.57 171.45,116.84 171.45,124.47 U87.8 ; v1(188.59,107.95) 189.23,107.31 U44.2
phi1_3: length 72.4
  Top w0.25: J4.12 203.84,95.25 200.66,95.25 v1(200.03,95.88) ; U87.11 165.09,126.99 165.1,127 165.1,127.63 165.73,128.27 194.94,128.27 v1(195.58,127.63)
  Bottom w0.25: v1(200.03,95.88) 200.03,97.79 198.12,99.69 198.12,120.65 195.58,123.19 v1(195.58,127.63)
phi2: length 65.8
  Top w0.25: U86.1 U86.2 ; v1(134.62,132.08) 135.25,132.72 164.47,132.72 v1(165.1,133.35)
  Bottom w0.25: 163.84,150.56 165.1,149.29 v1(165.1,133.35) ; U86.1 134.62,119.39 v1(134.62,132.08)
phi2_1: length 155.2
  Top w0.25: U86.6 146.04,116.84 146.05,116.84 145.41,116.2 105.41,116.2 103.5,114.3 100.97,114.3 99.69,115.57 v1(68.58,115.57) 67.31,114.3 50.16,114.3 48.26,116.2 38.1,116.2 37.47,115.57 20.95,115.57 v1(20.32,114.93)
  Bottom w0.25: U31.2 68.61,114.27 68.58,114.3 v1(68.58,115.57) ; U25.2 20.35,114.9 v1(20.32,114.93)
phi2_2: length 85.5
  Top w0.25: v1(152.4,125.73) 152.39,125.74 U86.8 ; v1(165.1,113.03) 163.83,114.3 v1(153.03,114.3) v1(117.47,114.3)
  Bottom w0.25: U37.2 116.87,113.63 116.84,113.66 v1(117.47,114.3) ; v1(153.03,114.3) 153.03,125.09 v1(152.4,125.73) ; v1(165.1,113.03) 165.13,113 U43.2
phi2_3: length 52.7
  Top w0.25: v1(140.97,127.63) 141.6,128.27 157.48,128.27 159.38,130.17 186.06,130.17 v1(186.69,129.54)
  Bottom w0.25: v1(140.97,127.63) 140.97,127.63 U86.11 ; v1(186.69,129.54) 186.69,125.74 U85.12
PUSH_FETCH: length 113.7
  Top w0.25: v1(21.59,72.39) 22.22,71.75 51.44,71.75 v1(52.07,71.12)
  Bottom w0.25: v1(21.59,72.39) 21.59,81.28 19.05,83.82 19.05,101.6 17.81,102.84 U25.1 ; U52.8 52.08,24.14 55.25,27.31 55.25,48.26 56.52,49.53 56.52,66.67 v1(52.07,71.12)
Reg_pulse: length 34.1
  Bottom w0.25: U85.8 198.75,123.83 198.75,100.33 201.29,97.79 203.84,97.79 J4.10
Y_BUS_Addr0: length 49.9
  Top w0.25: v1(200.66,144.78) 198.75,144.78 v1(198.12,145.41)
  Bottom w0.25: J4.2 205.1,107.95 204.47,108.58 201.93,108.58 201.29,109.22 201.29,144.14 v1(200.66,144.78) ; J1.20 198.12,149.29 v1(198.12,145.41)
Y_BUS_Addr1: length 54.2
  Top w0.25: v1(195.58,144.78) 196.22,144.14 199.39,144.14 v1(200.03,143.51)
  Bottom w0.25: J4.4 203.84,105.41 201.29,105.41 200.66,106.04 200.66,142.88 v1(200.03,143.51) ; v1(195.58,144.78) 195.58,149.29 J1.18
Y_BUS_Addr2: length 58.9
  Top w0.25: v1(193.04,144.14) 193.68,143.51 198.12,143.51 v1(199.39,142.24)
  Bottom w0.25: v1(193.04,144.14) 193.04,149.29 J1.16 ; J4.6 203.84,102.87 200.66,102.87 200.03,103.5 200.03,141.6 v1(199.39,142.24)
Y_BUS_Addr3: length 63.3
  Top w0.25: v1(190.5,143.51) 191.13,142.88 196.85,142.88 v1(198.75,140.97)
  Bottom w0.25: v1(190.5,143.51) 190.5,149.29 J1.14 ; J4.8 203.84,100.33 200.66,100.33 199.39,101.6 199.39,140.33 v1(198.75,140.97)
Y_Flag_sel: length 169.7
  Top w0.25: v1(128.27,135.25) 128.91,135.89 158.12,135.89 v1(158.75,136.52) ; U18.1 U17.4
  Bottom w0.25: J2.13 158.75,136.53 v1(158.75,136.52) ; v1(128.27,135.25) 127.63,134.62 127.63,81.28 128.27,80.64 128.27,76.83 125.73,74.29 125.73,27.94 U17.5
~{->Flag_Return}: length 146.2
  Top w0.25: U32.5 102.87,100.33 v1(102.87,99.69) ; v1(103.5,66.04) 104.78,66.04 105.41,66.67 133.98,66.67 135.89,64.77 148.59,64.77 149.86,66.04 178.44,66.04 v1(179.07,65.4)
  Bottom w0.25: v1(102.87,99.69) 102.87,66.67 v1(103.5,66.04) ; U71.13 179.7,41.28 179.7,64.77 v1(179.07,65.4)
~{->Flag_SAVE}: length 68.1
  Top w0.25: v1(157.48,69.85) 158.12,69.21 172.72,69.21 178.44,74.93 182.88,74.93 184.15,73.66 194.94,73.66 v1(195.58,74.29)
  Bottom w0.25: v1(195.58,74.29) 195.58,78.74 196.88,80.04 U46.5 ; v1(157.48,69.85) 157.48,72.39 157.47,72.39 U77.1
~{->Flag_SET}: length 109.8
  Top w0.25: U56.5 119.38,16.51 123.19,12.7 146.05,12.7 v1(146.69,13.33) 147.32,13.97 156.21,13.97 156.84,14.6 170.18,14.6 171.45,13.33 187.32,13.33 v1(187.96,13.97)
  Bottom w0.25: U18.5 148.62,25.37 149.22,24.76 149.22,15.88 v1(146.69,13.33) ; U71.12 187.96,35.56 v1(187.96,13.97)
~{->IP_INC1}: length 34.2
  Top w0.25: U67.13 62.23,50.8 v1(55.25,50.8)
  Bottom w0.25: v1(55.25,50.8) 54.61,50.16 54.61,29.21 52.1,26.7 U6.5
~{->IP_INC2}: length 46.2
  Top w0.25: U67.2 62.23,40.66 62.23,36.19 62.86,35.56 64.13,35.56 65.41,36.83 78.74,36.83 79.38,37.47 98.43,37.47 U10.5
